# Allegro board KIT_PSE84_AI_PSOC_Edge_E84_AI_Board_Layout.brd (continued)
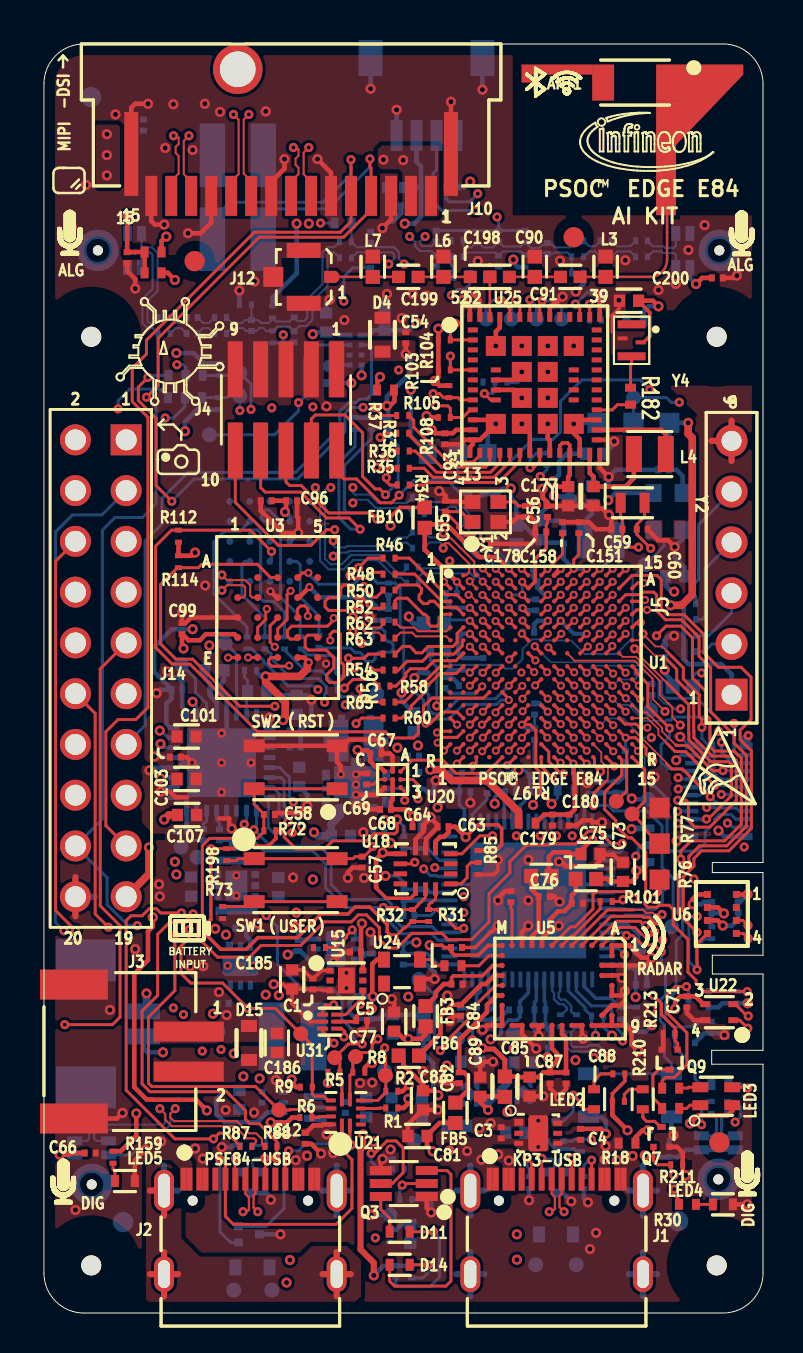
[diagram p0: board, top side]
## Routing (per net, layer and track width the routed paths; a pad name or vN(x,y) marks a point on that pad's centre or on a via; arc(x,y) is an arc through that point) (continued)
  L05_PWR w0.152: 26.74,26.59 26.51,26.37 25.27,26.37 25.01,26.63
  L05_PWR w0.229: 31.17,31.52 31.66,32.02 31.66,32.4 31.17,32.89
  BOTTOM w0.178: v1(21.94,31.35) 21.57,30.99 20.35,30.99 C157.1
N17701334: length 0.5
  TOP w0.15: U1.C9 v1(25.87,35.94)
N17701356: length 56
  TOP w0.15: U1.B2 v1(20.67,36.59) ; v3(30.45,27.64) 30.14,27.95 30.14,28.25 29.61,28.79 v1(29.12,28.79) U1.N14 ; v1(23.27,34.64) 23.3,34.61 23.3,34.61 U1.E6 ; U1.A6 v1(23.27,37.24) ; v1(21.46,27.38) 21.64,27.56 U1.R3 ; U1.E13 v1(28.47,34.64)
  TOP w0.229: v1(20.67,36.59) 19.06,38.19 FB10.1 19.23,39.45 20.17,39.45 21.8,37.82 22.68,37.82 v1(23.27,37.24)
  L05_PWR w0.089: v1(23.27,37.24) 23.61,36.89 23.61,36.43 23.79,36.26 24.08,36.26 24.27,36.07 24.27,35.8 24.08,35.61 23.85,35.61 23.61,35.37 23.61,34.97 23.52,34.89 23.52,34.88 v1(23.27,34.64) 23.03,34.88 23.02,34.88 22.94,34.96 21.83,34.96 21.64,35.15 21.64,35.42 21.45,35.61 20.87,35.61 20.34,35.08 20.34,27.35 20.56,27.14 21.22,27.14 v1(21.46,27.38) 21.85,27.77 24.07,27.77 24.41,27.43 24.41,26.59 ; 31.17,33.33 29.93,33.33 29.49,33.77 29.49,34.72 29.25,34.96 28.79,34.96 v1(28.47,34.64) ; 31.17,30.91 30.96,30.7 29.88,29.62 29.88,29.15 30.07,28.96 30.07,28.02 v3(30.45,27.64) 29.79,26.98 28.3,26.98 27.91,26.59
  L05_PWR w0.229: 24.41,26.59 25.11,25.9 27.22,25.9 27.91,26.59 ; 31.17,33.33 31.7,33.33 32.16,32.87 32.16,31.88 31.28,31 31.25,31 31.17,30.91
  BOTTOM w0.15: C160.1 29.12,28.12 v1(29.12,28.79) ; C164.1 23.27,37.55 v1(23.27,37.24) ; v1(21.46,27.38) 21.46,27.15 21.31,27 C163.1 ; C161.1 20.67,36.58 v1(20.67,36.59)
N17701674: length 9.4
  TOP w0.15: U1.M3 v1(21.32,29.44) ; U1.J3 v1(21.32,31.39) ; U1.E3 v1(21.32,34.64) ; U1.G3 v1(21.32,33.34)
  L05_PWR w0.089: v1(21.32,29.44) 20.98,29.77 20.98,31.05 v1(21.32,31.39) 20.83,31.88 20.83,32.84 v1(21.32,33.34) 20.98,33.67 20.98,34.42 21.2,34.64 v1(21.32,34.64)
  BOTTOM w0.15: C173.1 20.2,34.68 FB11.1
N17701770: length 6.4
  TOP w0.15: U1.J6 v1(23.27,31.39)
  BOTTOM w0.15: v1(23.27,31.39) 23.26,31.39 22.61,30.74 20.75,30.74 19.99,29.97 19.48,29.97 19.26,30.2 19.26,30.93 19.18,31.01 R155.1
N17701786: length 7.4
  TOP w0.15: v1(23.27,35.92) 23.28,35.92 U1.C6 ; v1(23.94,36.59) 23.94,36.56 U1.B7 ; C177.1 25.2,39.51 25.14,39.45 C178.1 ; v1(23.94,35.94) 23.94,35.91 U1.C7
  TOP w0.178: C178.1 25.14,38.28 24.59,37.72 24.59,36.6 U1.B7
  BOTTOM w0.15: C176.1 24.17,35.71 v1(23.94,35.94) ; v1(23.94,35.94) 23.28,35.94 v1(23.27,35.92) ; v1(23.94,35.94) v1(23.94,36.59)
N17708163: length 23.1
  TOP w0.15: U1.J5 v1(22.62,31.39) ; R33.1 17.03,44.02 v2(16.83,43.81)
  L04_SIG2 w0.089: v1(22.62,31.39) 22.29,31.71 21.83,31.71 21.64,31.9 21.64,32.35 21.81,32.52 22.88,32.52 23.02,32.38 23.5,32.38 24.24,33.12 24.24,33.5 24.66,33.91 24.66,37.92
  L04_SIG2 w0.157: 24.66,37.92 23.8,38.79 23.8,41.89 22.89,42.8 18.41,42.8 17.4,43.81 v2(16.83,43.81)
N17708171: length 22
  TOP w0.15: R34.1 17.32,41.43 17.14,41.61 v2(17.14,41.79) ; U1.F5 v1(22.62,33.99)
  L04_SIG2 w0.089: v1(22.62,33.99) 22.93,34.3 22.93,34.82 23.07,34.96 23.4,34.96 23.61,35.17 23.61,37.09 23.59,37.1 23.59,37.58 23.13,38.05 21.54,38.05
  L04_SIG2 w0.157: v2(17.14,41.79) 18.28,41.79 18.95,41.12 18.95,40.75 19.11,40.6 20.16,40.6 20.32,40.44 20.32,40.12 20.16,39.97 19.11,39.97 18.95,39.81 18.95,38.96 17.82,37.83 17.82,37.57 18.15,37.23 18.41,37.23 19.33,38.15 19.33,38.91 19.8,39.38 20.21,39.38 21.54,38.05
N17708201: length 22.4
  TOP w0.15: v2(16.66,42.32) 17.12,42.32 17.17,42.27 R35.1 ; U1.F4 v1(21.97,33.99)
  L04_SIG2 w0.089: 22.99,39.14 24.49,37.64 24.49,34.09 23.48,33.09 23.13,33.09 22.89,32.85 21.73,32.85 21.64,32.94 21.64,33.66 v1(21.97,33.99)
  L04_SIG2 w0.157: 22.99,39.14 22.99,41.99 22.53,42.44 18.16,42.44 17.3,43.31 16.77,43.31 16.61,43.15 16.61,42.78 16.66,42.73 v2(16.66,42.32)
N17708259: length 22.6
  TOP w0.15: U1.G5 v1(22.62,33.34) ; R36.1 17.22,43.13 17.07,42.98 v2(17.07,42.85)
  L04_SIG2 w0.089: 23.94,37.76 24.31,37.39 24.31,34.47 24.15,34.31 23.78,34.31 23.59,34.12 23.59,33.55 23.39,33.34 v1(22.62,33.34)
  L04_SIG2 w0.157: v2(17.07,42.85) 17.07,42.44 17.42,42.09 19.37,42.09 20.65,40.8 20.65,39.4 20.96,39.09 21.39,39.09 21.71,39.41 21.71,39.64 21.55,39.79 21.42,39.79 21.26,39.95 21.26,40.27 21.42,40.42 21.78,40.42 21.97,40.61 21.97,41.55 22.15,41.73 22.44,41.73 22.6,41.58 22.6,39.1 23.94,37.76
N17708293: length 23.4
  TOP w0.15: U1.D5 v1(22.62,35.29) ; v2(16.54,45.31) 16.94,44.91 R37.1
  L04_SIG2 w0.089: v1(22.62,35.29) 22.94,35.61 22.94,37.37 22.69,37.62 22.36,37.62
  L04_SIG2 w0.157: 22.36,37.62 21.31,37.62 20.27,38.66 19.76,38.66 19.61,38.5 19.61,37.85 17.98,36.22 17.58,36.22 16.85,36.96 16.85,37.32 18.62,39.09 18.62,40.84 18.11,41.35 16.71,41.35 16.08,41.99 16.08,44.86 v2(16.54,45.31)
N17708327: length 13.1
  TOP w0.15: U1.H5 v1(22.62,32.04)
  L04_SIG2 w0.089: v1(22.62,32.04) 23.41,32.04 23.76,32.38 23.78,32.38 24.39,32.99 24.66,32.99 24.89,33.23 24.89,33.5 24.85,33.54 24.85,37.81 24.88,37.84 24.88,38.01 24.87,38.01 24.87,38.58 24.28,39.17 24.28,39.29
  L04_SIG2 w0.157: v2(24.84,41.86) 24.28,41.3 24.28,39.29
  BOTTOM w0.15: v2(24.84,41.86) 25.17,42.19 R38.1
N17708399: length 3.2
  TOP w0.15: U1.P14 29.17,28.08 29.17,26.12 TP69.1
N17708861: length 13.3
  TOP w0.15: U1.N2 20.69,28.8 19.97,28.8 v1(19.7,28.53)
  L03_SIG1 w0.089: v1(19.7,28.53) 19.32,28.53 18.77,29.08 18.72,29.08
  L03_SIG1 w0.157: 18.72,29.08 17.98,29.82 16.43,29.82 15.83,30.43 v2(15.09,30.43)
  BOTTOM w0.15: v2(15.09,30.43) 15.27,30.25 15.76,30.25 15.95,30.44 15.95,30.69 15.8,30.83 15.66,30.83 15.66,30.84 14.9,30.84 14.63,31.1 14.63,31.38 13.89,32.13 13.09,32.13 12.04,33.17 R45.2
N17708863: length 4.3
  TOP w0.15: R46.1 18.29,37.77 20.12,35.94 20.66,35.94 U1.C2
N17708893: length 15.9
  TOP w0.15: U1.P1 v1(20.02,28.14)
  L03_SIG1 w0.157: v2(14.05,30.56) 14.71,29.9 15.79,29.9 16.89,28.8 18.05,28.8 18.21,28.65 18.21,27.92 18.05,27.76 17.32,27.76 17.16,27.6 17.16,27.2 17.33,27.03 18.19,27.03 19.03,27.86 19.75,27.86 v1(20.02,28.14)
  BOTTOM w0.15: R47.2 11.11,33.23 11.36,32.98 11.36,32.77 12.38,31.75 13.73,31.75 14.12,31.36 14.12,31.03 14.05,30.95 v2(14.05,30.56)
N17708895: length 3.3
  TOP w0.15: U1.C1 19.92,35.61 18.56,36.97 R48.1
N17708925: length 12.2
  TOP w0.15: v1(19.67,29.05) 19.74,29.11 U1.N1
  L03_SIG1 w0.157: v2(15.57,32.28) 15.57,32.26 16.27,31.56 16.5,31.56 16.99,32.05 17.26,32.05 17.43,31.88 17.43,31.6 16.92,31.09 16.92,30.82 17.1,30.63 18.85,30.63 19.67,29.81 v1(19.67,29.05)
  BOTTOM w0.15: v2(15.57,32.28) 15.17,31.88 14.75,31.88 14.61,32.03 14.61,32.74 14.45,32.9 13.64,32.9 13.61,32.93 13.18,32.93 R49.2
N17708927: length 4.7
  TOP w0.15: U1.D2 20.65,35.31 19.84,35.31 19.53,35.61 19.32,35.61 19.2,35.49 18.99,35.49 18.78,35.71 18.78,35.92 18.9,36.04 18.9,36.25 18.72,36.43 17.83,36.43 R50.1
N17708957: length 12.8
  TOP w0.15: U1.M2 20.68,30.07 19.92,30.07 19.33,29.48 19.11,29.48 v1(19.11,29.49)
  L03_SIG1 w0.157: v1(19.11,29.49) 18.36,30.23 16.58,30.23 15.99,30.83 15.66,30.83 15.63,30.86 14.32,30.86 13.99,31.19 13.72,31.19 v2(13.71,31.19)
  BOTTOM w0.15: R51.2 10.41,33.23 10.98,32.65 10.98,32.61 12.22,31.37 13.54,31.37 v2(13.71,31.19)
N17708959: length 4.3
  TOP w0.15: U1.D1 19.97,34.96 19.82,34.81 19.82,34.52 19.67,34.37 19.37,34.37 19.22,34.52 19.22,34.81 19.07,34.96 18.99,34.96 18.19,35.76 17.71,35.76 17.57,35.63 R52.1
N17708991: length 4.2
  TOP w0.15: U1.F2 20.94,33.61 20.94,33.38 20.52,32.97 19.31,32.97 18.95,32.61 18.18,32.61 17.74,32.17 R54.1
N17709023: length 4.5
  TOP w0.15: U1.E2 20.68,34 20.68,33.56 20.47,33.35 19.23,33.35 19.08,33.2 19.08,33.18 18.93,33.03 18.63,33.03 18.48,33.18 18.48,33.2 18.33,33.35 17.95,33.35 R56.1
N17709055: length 4.4
  TOP w0.15: R58.1 17.62,31.37 18.11,31.86 18.11,32 18.34,32.23 19.13,32.23 19.53,32.64 20.62,32.64 U1.G2
N17709075: length 4.7
  TOP w0.15: U1.H2 20.63,32 19.81,32 19.1,31.29 19.1,31.09 18.39,30.38 18.39,30.25 17.91,29.77 R60.1
N17709105: length 16.1
  TOP w0.15: v1(20.68,29.44) 20.66,29.44 U1.M1
  L03_SIG1 w0.157: v1(20.68,29.44) 20.68,30.23 19.58,31.32 18.41,31.32 17.83,31.89 17.83,32.33 17.29,32.87 17.07,32.87 16.91,32.7 16.69,32.7 16.46,32.93 16.46,33.15 16.63,33.31 16.63,33.54 16.3,33.86 16.08,33.86 15.9,33.68 v2(15.9,33.5)
  BOTTOM w0.15: R61.2 13.8,33.28 15.34,33.28 15.58,33.04 15.83,33.04 15.98,32.89 15.98,32.76 16.15,32.59 16.43,32.59 16.58,32.74 16.58,32.89 16.75,33.07 17.35,33.07 17.48,33.2 17.48,33.45 17.35,33.58 17.22,33.58 17.07,33.73 17.07,34.09 16.92,34.24 16.63,34.24 16.48,34.09 16.48,33.76 16.3,33.58 15.98,33.58 v2(15.9,33.5)
N17709107: length 3
  TOP w0.102: R62.1 17.85,34.3 18.54,34.3 18.72,34.11 20.15,34.11 U1.E1
N17709123: length 3
  TOP w0.102: R63.1 17.85,34.04 18.43,34.04 18.62,33.86 20.15,33.86 U1.F1
N17709155: length 3.5
  TOP w0.15: U1.H1 19.84,32.36 18.04,30.57 R65.1
N17709188: length 6.6
  TOP w0.102: U1.A4 21.97,37.24 21.97,37.26 v1(21.97,37.26)
  BOTTOM w0.102: v1(21.97,37.26) 22.2,37.49 22.2,37.67 22.05,37.82 21.61,37.82 21.01,38.43 21.01,38.81 20.85,38.96 20.85,39.27 21.01,39.42 21.01,39.9 20.58,40.33 20.24,40.33 20.09,40.18 19.79,40.18 19.63,40.33 19.25,40.33 19.05,40.13 R66.2
N17709192: length 6.6
  TOP w0.102: U1.A5 v1(22.62,37.24)
  BOTTOM w0.102: R67.2 19.27,40.58 20.68,40.58 21.26,40 21.26,38.53 21.72,38.08 22.15,38.08 22.45,37.77 22.45,37.4 v1(22.62,37.24)
N17709220: length 4
  TOP w0.102: U1.A3 21.54,37.01 21.54,37.6 20.37,38.77 20.24,38.77 v2(19.99,39.02)
  BOTTOM w0.102: R68.2 19.31,38.81 19.78,38.81 v2(19.99,39.02)
N17709224: length 4
  TOP w0.102: v2(19.99,38.27) 19.99,38.41 20.09,38.51 20.26,38.51 21.29,37.49 21.29,37.06 21.13,36.91 U1.A2
  BOTTOM w0.102: v2(19.99,38.27) 19.99,38.41 19.84,38.56 19.31,38.56 19.05,38.3 R69.2
N17709256: length 4.1
  TOP w0.102: U1.B4 21.96,36.59 v1(21.96,36.6)
  BOTTOM w0.102: R70.2 18.81,37.26 21.45,37.26 21.78,36.93 21.78,36.78 v1(21.96,36.6)
N17709266: length 4.1
  TOP w0.102: U1.B3 21.32,36.59 21.32,36.61 v1(21.31,36.61)
  BOTTOM w0.102: R71.2 18.74,36.8 18.95,37.01 21.35,37.01 21.53,36.83 21.53,36.7 21.41,36.59 21.34,36.59 21.32,36.61 v1(21.31,36.61)
N17713383: length 2.4
  BOTTOM w0.15: R11.1 R10.2 11.11,8.8 11.38,9.06 11.81,9.06 11.98,9.24 U29.4
N17787194: length 2.1
  TOP w0.15: v2(24.18,7.75) 24.41,7.52 J1.A5
  BOTTOM w0.15: R4.1 24.28,7.24 24.18,7.34 v2(24.18,7.75)
N17787196: length 2
  TOP w0.15: J1.B5 v2(27.41,7.65)
  BOTTOM w0.15: R3.1 27.03,7.39 27.26,7.62 27.39,7.62 v2(27.41,7.65)
N17852597: length 1.3
  TOP w0.15: U21.5 16.79,10.23 16.81,10.26 R1.1
N17861601: length 0.9
  TOP w0.15: LED5.A 3.55,7.1 3.45,7.2 R159.1
N17865831: length 2.7
  BOTTOM w0.15: C27.2 R15.2 R16.1 U13.5
N17892556: length 17.7
  BOTTOM w0.089: 28.65,32.97 29.46,33.79 ; 23.95,33.22 24.44,33.71 25.02,33.71 25.08,33.65 26.4,33.65 27.08,32.97
  BOTTOM w0.102: 23.95,33.22 23.95,32.72 23.48,32.25 23.09,32.25 22.9,32.44 20.4,32.44 20.19,32.65 R218.1 ; 29.46,33.79 29.46,36.8 TP52.1 ; 27.08,32.97 28.65,32.97
  BOTTOM w0.15: Y3.3 30.52,39.13 31.04,38.61 31.04,38.38 TP52.1
N17899696: length 1.2
  BOTTOM w0.15: R189.2 20.71,41.8 R188.1
N17920449: length 13.7
  TOP w0.127: C91.2 L3.2 30.33,51.84 arc(30.94,52.1) 31.19,52.71 31.19,54.07 31.19,54.07 ANT1.1
N17920453: length 2.6
  TOP w0.127: C91.1 L2.2 C90.2
N17920674: length 2.6
  TOP w0.127: C199.1 L6.2 C198.2
N17920680: length 3.3
  TOP w0.127: C199.2 L7.2 J12.S
N17936697: length 6.3
  TOP w0.15: D11.A v2(19.51,4.07)
  BOTTOM w0.15: v2(19.51,4.07) 19.79,3.78 19.79,1.79 19.33,1.32 17.73,1.32 17.6,1.45 R174.1
N17936707: length 1.9
  TOP w0.15: D11.K 17.31,4.74 16.86,5.19 Q3.6
N17937120: length 2.3
  TOP w0.15: D14.A v2(19.23,2.41)
  BOTTOM w0.15: v2(19.23,2.41) 19.23,2.01 19.18,1.96 18.98,1.76 R190.1
N17937130: length 10.7
  TOP w0.15: D14.K 17.31,1.59 17.55,1.35 20.12,1.35 20.37,1.6 20.37,6.94 20.18,7.13 Q3.3
N17947353: length 1.6
  TOP w0.15: R182.1 29.36,47.44 29.41,47.49 Y4.O
N17989965: length 12
  TOP w0.102: R88.1 10.91,8.48 10.92,8.48 10.92,8.7 10.62,8.99 10.26,8.99 9.65,9.6 6.5,9.6 6.32,9.78 6.32,9.98 v2(6.57,10.23)
  BOTTOM w0.102: v2(6.57,10.23) 6.32,9.98 6.32,9.42 6.07,9.17 2.62,9.17 2.52,9.07 2.52,8.71 2.62,8.61 U8.3
N17989977: length 12
  TOP w0.102: R87.1 10.61,8.54 10.61,8.64 10.51,8.74 10.16,8.74 9.55,9.35 6.4,9.35 6.07,9.68 6.07,9.96 v2(5.8,10.23)
  BOTTOM w0.102: U8.1 2.16,8.61 2.26,8.71 2.26,9.17 2.51,9.42 5.97,9.42 6.07,9.53 6.07,9.96 v2(5.8,10.23)
N17990624: length 1.9
  BOTTOM w0.15: U7.3 34.06,8.87 33.92,9.01 33.92,9.74 34.17,9.99 R92.1
N17990639: length 1.9
  BOTTOM w0.15: R91.1 33.66,9.73 33.66,9.05 33.48,8.87 U7.1
N18038435: length 1.4
  TOP w0.15: LED1.A 29.3,11.19 29.05,10.94 R209.1
N18038437: length 1.5
  TOP w0.15: R210.1 27.86,11.96 27.53,11.63 LED2.A
N18038455: length 1.5
  TOP w0.15: LED1.K 29.97,9.82 30,9.79 30,9.75 30.16,9.59 30.58,9.59 30.85,9.31 Q7.D
N18038457: length 3.3
  TOP w0.15: v2(26.49,10.9) 26.78,10.61 26.78,10.46 27.04,10.19 LED2.K
  BOTTOM w0.15: v2(26.49,10.9) 26.49,10.1 25.99,9.59 Q8.D
N18039037: length 1.1
  TOP w0.15: LED3.1 32.33,10.4 32.17,10.24 R156.2
N18039056: length 1.1
  TOP w0.15: R157.2 32.22,11.25 32.27,11.3 LED3.2
N18039072: length 1.8
  TOP w0.15: LED3.3 35.19,11.3 v2(35.23,11.25)
  BOTTOM w0.15: R165.1 34.63,11.43 34.65,11.44 35.04,11.44 v2(35.23,11.25)
N18042757: length 1
  BOTTOM w0.15: R216.1 14.65,47.38 14.7,47.43 U40.5
N18094677: length 32.4
  TOP w0.15: U20.A2 18.47,26.7 18.72,26.44 v2(18.72,25.73)
  L03_SIG1 w0.157: v2(6.65,47.45) 6.65,47.04 6.63,47.01 6.63,42.8 8.26,41.17 8.26,36.76 8.45,36.56 8.45,35.21 8.71,34.95 8.71,32.31 10.14,30.88 10.14,29.04 11.54,27.64 15.86,27.64 17.03,26.47 17.98,26.47 v2(18.72,25.73)
  BOTTOM w0.15: v2(6.65,47.45) 6.68,47.47 6.94,47.47 7.09,47.32 R221.1
N18094686: length 29.6
  TOP w0.15: U20.A3 18.06,26.09 v2(18.06,25.66)
  L03_SIG1 w0.157: v2(18.06,25.66) 17.48,25.66 15.75,27.38 11.43,27.38 9.88,28.93 9.88,30.62 7.88,32.62 7.88,35.86 7.69,36.05 7.69,37.1 7.95,37.36 7.95,41.02 6.07,42.9 v2(6.07,44.78)
  BOTTOM w0.15: R223.1 7.05,45.35 6.49,44.78 v2(6.07,44.78)
N18095156: length 1
  TOP w0.15: C69.1 16.51,26.45 16.55,26.49 16.55,26.5 16.75,26.7 U20.C2

## Copper pours and planes (outline as drawn; the poured copper is in the pictures)
GND_EARTH on TOP: 5.21,7.44 6.3,7.44 6.65,7.09 6.65,6.17 6.73,6.1 6.58,6.1 6.58,5.23 6.88,5.23 6.88,3.73 7.8,2.82 12.88,2.82 13.41,3.35 15.16,3.35 15.88,2.64 15.88,0.84 15.61,0.57 15,0.57 14.99,0.56 5.23,0.56 5.11,0.69 5.11,7.34
GND_EARTH on BOTTOM: 21.11,7.67 22.43,7.67 22.61,7.49 22.61,2.06 23.12,1.55 28.4,1.55 28.7,1.86 28.7,4.8 29.08,5.18 29.08,5.21 29.41,5.21 29.41,5.87 29.08,5.87 29.08,7.42 29.29,7.62 30.79,7.62 30.99,7.42 30.99,0.64 30.89,0.53 13.18,0.53 13,0.71 13,1.35 13.18,1.53 13.18,7.29 13.46,7.57 15.42,7.57 15.72,7.27 15.72,3.86 15.9,3.68 17.55,3.68 17.63,3.76 18.69,3.76 18.77,3.68 18.77,2.85 18.67,2.74 17.27,2.74 17.22,2.69 17.22,1.42 17.45,1.19 19.53,1.19 19.99,1.65 19.99,3.89 20.09,3.99 20.09,7.24 20.22,7.37 20.27,7.42 20.85,7.42 ; 3 cut-outs
GND_EARTH on BOTTOM: 5.05,7.67 6.65,7.67 7.06,7.27 7.06,5.89 6.55,5.89 6.55,5.21 7.06,5.21 7.06,2.49 7.42,2.13 7.42,0.61 7.37,0.56 5.33,0.56 4.75,1.14 4.75,7.37
GND_SIGNAL on BOTTOM (solid shape): 3.43,6.39 3.42,6.3 3.4,6.21 3.38,6.12 3.35,6.03 3.31,5.95 3.27,5.87 3.21,5.8 3.16,5.73 3.09,5.67 3.02,5.61 2.95,5.56 2.87,5.51 2.79,5.47 2.7,5.44 2.61,5.42 2.52,5.4 2.43,5.39 2.34,5.39 2.25,5.4 2.16,5.42 2.08,5.44 1.99,5.47 1.91,5.51 1.83,5.56 1.76,5.61 1.69,5.67 1.62,5.73 1.56,5.8 1.51,5.87 1.47,5.95 1.43,6.03 1.4,6.12 1.37,6.21 1.36,6.3 1.35,6.39 1.35,6.43 1.81,6.43 1.81,6.36 1.82,6.3 1.84,6.23 1.87,6.17 1.91,6.11 1.95,6.05 2,6 2.05,5.96 2.11,5.92 2.17,5.9 2.24,5.87 2.3,5.86 2.37,5.85 2.44,5.85 2.51,5.87 2.57,5.88 2.64,5.91 2.7,5.94 2.75,5.98 2.81,6.03 2.85,6.08 2.89,6.14 2.92,6.2 2.94,6.26 2.96,6.33 2.97,6.4 2.97,6.47 2.96,6.54 2.94,6.6 2.92,6.67 2.89,6.73 2.85,6.79 2.81,6.84 2.75,6.88 2.7,6.92 2.64,6.96 2.57,6.98 2.51,7 2.44,7.01 2.37,7.01 2.3,7.01 2.24,6.99 2.17,6.97 2.11,6.94 2.05,6.9 2,6.86 1.95,6.81 1.91,6.76 1.87,6.7 1.84,6.64 1.82,6.57 1.81,6.5 1.81,6.43 1.35,6.43 1.35,6.48 1.36,6.57 1.37,6.66 1.4,6.75 1.43,6.83 1.47,6.91 1.51,6.99 1.56,7.07 1.62,7.14 1.69,7.2 1.76,7.26 1.83,7.31 1.91,7.36 1.99,7.39 2.08,7.43 2.16,7.45 2.25,7.46 2.34,7.47 2.43,7.47 2.52,7.46 2.61,7.45 2.7,7.43 2.79,7.39 2.87,7.36 2.95,7.31 3.02,7.26 3.09,7.2 3.16,7.14 3.21,7.07 3.27,6.99 3.31,6.91 3.35,6.83 3.38,6.75 3.4,6.66 3.42,6.57 3.43,6.48
GND_SIGNAL on BOTTOM (solid shape): 3.74,53.12 3.73,53.03 3.72,52.94 3.69,52.85 3.66,52.77 3.62,52.69 3.58,52.61 3.53,52.53 3.47,52.46 3.4,52.4 3.33,52.34 3.26,52.29 3.18,52.24 3.1,52.21 3.01,52.18 2.92,52.15 2.84,52.14 2.75,52.13 2.65,52.13 2.56,52.14 2.47,52.15 2.39,52.18 2.3,52.21 2.22,52.24 2.14,52.29 2.07,52.34 2,52.4 1.93,52.46 1.87,52.53 1.82,52.61 1.78,52.69 1.74,52.77 1.71,52.85 1.68,52.94 1.67,53.03 1.66,53.12 1.66,53.17 2.12,53.17 2.12,53.1 2.14,53.03 2.16,52.97 2.18,52.9 2.22,52.84 2.26,52.79 2.31,52.74 2.36,52.7 2.42,52.66 2.48,52.63 2.55,52.61 2.61,52.59 2.68,52.59 2.75,52.59 2.82,52.6 2.89,52.62 2.95,52.64 3.01,52.68 3.07,52.72 3.12,52.76 3.16,52.82 3.2,52.87 3.23,52.93 3.25,53 3.27,53.06 3.28,53.13 3.28,53.2 3.27,53.27 3.25,53.34 3.23,53.4 3.2,53.46 3.16,53.52 3.12,53.57 3.07,53.62 3.01,53.66 2.95,53.69 2.89,53.72 2.82,53.74 2.75,53.75 2.68,53.75 2.61,53.74 2.55,53.73 2.48,53.71 2.42,53.68 2.36,53.64 2.31,53.6 2.26,53.55 2.22,53.49 2.18,53.43 2.16,53.37 2.14,53.3 2.12,53.24 2.12,53.17 1.66,53.17 1.66,53.21 1.67,53.3 1.68,53.39 1.71,53.48 1.74,53.57 1.78,53.65 1.82,53.73 1.87,53.8 1.93,53.87 2,53.93 2.07,53.99 2.14,54.04 2.22,54.09 2.3,54.13 2.39,54.16 2.47,54.18 2.56,54.2 2.65,54.21 2.75,54.21 2.84,54.2 2.92,54.18 3.01,54.16 3.1,54.13 3.18,54.09 3.26,54.04 3.33,53.99 3.4,53.93 3.47,53.87 3.53,53.8 3.58,53.73 3.62,53.65 3.66,53.57 3.69,53.48 3.72,53.39 3.73,53.3 3.74,53.21
GND_SIGNAL on BOTTOM (solid shape): 34.8,6.64 34.79,6.55 34.77,6.46 34.75,6.37 34.72,6.29 34.68,6.21 34.64,6.13 34.58,6.05 34.52,5.98 34.46,5.92 34.39,5.86 34.32,5.81 34.24,5.76 34.16,5.73 34.07,5.69 33.98,5.67 33.89,5.66 33.8,5.65 33.71,5.65 33.62,5.66 33.53,5.67 33.45,5.69 33.36,5.73 33.28,5.76 33.2,5.81 33.12,5.86 33.06,5.92 32.99,5.98 32.93,6.05 32.88,6.13 32.84,6.21 32.8,6.29 32.77,6.37 32.74,6.46 32.73,6.55 32.72,6.64 32.72,6.69 33.18,6.69 33.18,6.62 33.19,6.55 33.21,6.48 33.24,6.42 33.28,6.36 33.32,6.31 33.37,6.26 33.42,6.22 33.48,6.18 33.54,6.15 33.6,6.13 33.67,6.11 33.74,6.11 33.81,6.11 33.88,6.12 33.94,6.14 34.01,6.16 34.07,6.2 34.12,6.24 34.17,6.28 34.22,6.33 34.26,6.39 34.29,6.45 34.31,6.52 34.33,6.58 34.34,6.65 34.34,6.72 34.33,6.79 34.31,6.86 34.29,6.92 34.26,6.98 34.22,7.04 34.17,7.09 34.12,7.14 34.07,7.18 34.01,7.21 33.94,7.24 33.88,7.26 33.81,7.27 33.74,7.27 33.67,7.26 33.6,7.25 33.54,7.22 33.48,7.2 33.42,7.16 33.37,7.12 33.32,7.07 33.28,7.01 33.24,6.95 33.21,6.89 33.19,6.82 33.18,6.76 33.18,6.69 32.72,6.69 32.72,6.73 32.73,6.82 32.74,6.91 32.77,7 32.8,7.09 32.84,7.17 32.88,7.25 32.93,7.32 32.99,7.39 33.06,7.45 33.12,7.51 33.2,7.56 33.28,7.61 33.36,7.65 33.45,7.68 33.53,7.7 33.62,7.72 33.71,7.73 33.8,7.73 33.89,7.72 33.98,7.7 34.07,7.68 34.16,7.65 34.24,7.61 34.32,7.56 34.39,7.51 34.46,7.45 34.52,7.39 34.58,7.32 34.64,7.25 34.68,7.17 34.72,7.09 34.75,7 34.77,6.91 34.79,6.82 34.8,6.73
GND_SIGNAL on BOTTOM (solid shape): 34.85,53.12 34.84,53.03 34.82,52.94 34.8,52.85 34.77,52.77 34.73,52.69 34.69,52.61 34.63,52.53 34.58,52.46 34.51,52.4 34.44,52.34 34.37,52.29 34.29,52.24 34.21,52.21 34.12,52.18 34.03,52.15 33.94,52.14 33.85,52.13 33.76,52.13 33.67,52.14 33.58,52.15 33.5,52.18 33.41,52.21 33.33,52.24 33.25,52.29 33.18,52.34 33.11,52.4 33.04,52.46 32.98,52.53 32.93,52.61 32.89,52.69 32.85,52.77 32.82,52.85 32.79,52.94 32.78,53.03 32.77,53.12 32.77,53.17 33.23,53.17 33.23,53.1 33.24,53.03 33.26,52.97 33.29,52.9 33.33,52.84 33.37,52.79 33.42,52.74 33.47,52.7 33.53,52.66 33.59,52.63 33.66,52.61 33.72,52.59 33.79,52.59 33.86,52.59 33.93,52.6 33.99,52.62 34.06,52.64 34.12,52.68 34.17,52.72 34.23,52.76 34.27,52.82 34.31,52.87 34.34,52.93 34.36,53 34.38,53.06 34.39,53.13 34.39,53.2 34.38,53.27 34.36,53.34 34.34,53.4 34.31,53.46 34.27,53.52 34.23,53.57 34.17,53.62 34.12,53.66 34.06,53.69 33.99,53.72 33.93,53.74 33.86,53.75 33.79,53.75 33.72,53.74 33.66,53.73 33.59,53.71 33.53,53.68 33.47,53.64 33.42,53.6 33.37,53.55 33.33,53.49 33.29,53.43 33.26,53.37 33.24,53.3 33.23,53.24 33.23,53.17 32.77,53.17 32.77,53.21 32.78,53.3 32.79,53.39 32.82,53.48 32.85,53.57 32.89,53.65 32.93,53.73 32.98,53.8 33.04,53.87 33.11,53.93 33.18,53.99 33.25,54.04 33.33,54.09 33.41,54.13 33.5,54.16 33.58,54.18 33.67,54.2 33.76,54.21 33.85,54.21 33.94,54.2 34.03,54.18 34.12,54.16 34.21,54.13 34.29,54.09 34.37,54.04 34.44,53.99 34.51,53.93 34.58,53.87 34.63,53.8 34.69,53.73 34.73,53.65 34.77,53.57 34.8,53.48 34.82,53.39 34.84,53.3 34.85,53.21
GND_SIGNAL on TOP: 21.73,7.35 21.17,7.35 20.98,7.55 20.98,8.36 21.06,8.43 22.05,8.43 22.2,8.28 22.2,7.75 22.61,7.34 22.73,7.34 22.76,7.32 22.76,6.12 22.73,6.1 22.15,6.1 22.12,6.12 22.12,6.96
GND_SIGNAL on TOP: 28.58,6.07 29.24,6.07 29.26,6.1 29.26,7.06 29.85,7.65 29.69,7.8 29.69,8.08 29.64,8.13 29.18,8.13 29.06,8 28.65,8 28.5,7.85 28.5,7.32 28.55,7.27 28.55,6.1
GND_SIGNAL on BOTTOM: 22.4,10.95 22.73,11.28 22.73,12.88 22.63,12.98 21.54,12.98 21.46,12.9 21.46,11.66 21.39,11.58 21.39,11.35 20.98,10.95 20.98,10.9 21.29,10.59 21.39,10.59 21.74,10.95
GND_SIGNAL on BOTTOM: 24.82,12.65 25,12.47 25,11.23 24.84,11.08 24.46,11.08 24.06,10.67 23.98,10.67 23.62,11.02 23.62,11.05 24.06,11.48 24.06,12.14 24.18,12.27 24.18,13.41 24.23,13.46 24.79,13.46 24.82,13.44
GND_SIGNAL on BOTTOM: 2.92,12.45 3.02,12.35 4.24,12.35 4.34,12.24 4.34,10.59 3.86,10.11 0.66,10.11 0.56,10.21 0.56,12.32 0.58,12.35 1.17,12.35 1.4,12.57 1.4,16.49 1.3,16.59 0.58,16.59 0.53,16.64 0.53,18.64 0.61,18.72 5,18.72 5.11,18.62 5.11,16.71 4.9,16.51 3.15,16.51 2.92,16.28
GND_SIGNAL on L02_GND: 0.53,61.5 0.96,62.53 2,62.96 33.99,62.96 35.03,62.53 35.46,61.5 35.46,23.07 32.92,23.07 32.92,21.5 35.46,21.5 35.46,18.5 35.41,18.44 32.97,18.44 32.92,18.39 32.92,17.07 32.59,17.07 32.59,16.92 32.92,16.92 32.92,16.46 33.02,16.36 35.41,16.36 35.46,16.3 35.46,13.68 32.89,13.68 32.89,11.94 32.94,11.89 35.38,11.89 35.46,11.81 35.46,2 35.03,0.96 33.99,0.53 2,0.53 0.96,0.96 0.53,2 0.53,14.28 1.24,14.28 1.24,14.58 0.53,14.58 0.53,18.87 1.14,18.87 1.14,19.41 0.53,19.41 0.53,20.3 1.09,20.3 1.09,21.31 0.53,21.31 ; 95 cut-outs
GND_SIGNAL on L05_PWR: 33.25,45.82 35.31,45.82 35.31,45.8 35.48,45.62 35.48,44.6 35.2,44.32 35.2,43 35.48,42.72 35.48,32.72 35.49,32.71 35.49,29.41 35.36,29.41 34.98,29.03 34.98,28.65 35.48,28.14 35.49,28.14 35.49,24.89 34.46,23.87 33.82,23.87 33.8,23.89 32.59,23.89 32.09,23.4 31.79,23.4 31.15,22.77 31.15,21.62 30.43,21.62 29.18,22.86 29.18,24.31 29.95,25.07 29.95,29.44 32.31,31.8 32.31,33.07 31.85,33.53 29.97,33.53 29.57,33.94 29.57,37.47 29.54,37.49 27.76,37.49 27.61,37.64 27.61,40.01 27.79,40.18 29.92,40.18 33.12,43.38 33.12,45.7 ; 5 cut-outs
GND_SIGNAL on L05_PWR: 0.58,61.97 1.13,62.71 2,62.99 23.5,62.99 23.57,62.92 23.57,55.12 23.77,54.92 34.82,54.92 35.38,54.36 35.38,51.77 34.67,51.06 17.12,51.06 14.76,48.69 14.05,48.69 12.93,47.58 10.77,47.58 10.24,48.11 4.95,48.11 4.39,47.55 0.71,47.55 0.58,47.68 ; 1 cut-out
VBAT_IN on TOP: 9.42,13.49 9.5,13.56 11.15,13.56 11.18,13.54 12.12,13.54 12.17,13.59 12.17,14.71 11.86,15.01 10.03,15.01 9.42,15.62 9.42,15.88 8.97,16.33 6.32,16.33 5.21,15.22 5.21,13.62 5.33,13.49
VBAT_IN on BOTTOM: 9.5,16.71 9.53,16.69 9.53,16.08 9.58,16.03 10.03,16.03 10.11,16.1 10.11,16.64 10.16,16.69 10.34,16.69 10.49,16.69 10.52,16.66 10.52,15.8 10.44,15.72 9.91,15.72 9.53,15.34 9.53,13.79 9.4,13.67 8.33,13.67 8.28,13.72 8.28,14.91 8.54,15.16 8.99,15.16 9.09,15.27 9.09,15.72 8.99,15.83 8.33,15.83 8.26,15.9 8.26,16.66 8.31,16.71
VCC_1V8 on BOTTOM: 23.95,13.06 23.85,12.96 23.85,11.48 23.62,11.25 23.06,11.25 22.94,11.38 22.94,14.07 23.27,14.4 23.9,14.4 23.95,14.35
VCC_1V8 on L04_SIG2: 22.18,13.72 26.01,13.72 28.07,11.66 28.07,10.14 28.02,10.08 27.25,10.08 27.1,9.93 20.07,9.93 19.92,9.78 19.92,7.9 19.71,7.7 18.7,7.7 18.62,7.77 18.62,9.09 18.72,9.2 18.72,11.06 18.54,11.24 18.54,13.29 18.62,13.36 21.82,13.36
VCC_3V3 on BOTTOM: 20.93,11.1 21.19,11.35 21.19,14.05 21.03,14.2 20.37,14.2 20.27,14.1 20.27,13.03 19.89,12.65 19.89,12.22 20.37,11.74 20.37,11.15 20.42,11.1
VCC_IN on TOP: 23.24,9.15 22.25,9.15 22.07,8.97 21.46,8.97 21.39,9.04 21.39,9.65 21.54,9.81 24.03,9.81 24.08,9.75 24.08,9.35 24.03,9.3 23.39,9.3
VCC_IN on BOTTOM: 9.65,19.66 9.73,19.58 9.73,18.9 9.55,18.72 9.55,18.26 9.53,18.24 9.53,18.09 9.47,18.04 8.53,18.04 8.33,18.24 8.33,19.58 8.41,19.66
VCC_IN on BOTTOM: 12.09,11.66 12.3,11.46 12.3,10.97 12.22,10.9 11.76,10.9 11.74,10.92 10.26,10.92 10.16,10.82 8.87,10.82 8.79,10.9 8.79,12.75 10.72,14.68 10.72,16.1 10.77,16.16 12.02,16.16 12.09,16.08
VCC_IN on BOTTOM: 13.9,17.91 13.39,17.91 13.03,18.26 12.04,18.26 11.96,18.19 11.96,17.53 12.09,17.4 13.82,17.4 13.92,17.5 13.92,17.88
VCC_IN on L04_SIG2: 12.55,13.51 13.49,13.51 13.92,13.08 13.92,10.69 15.32,9.3 15.32,8.26 15.9,7.67 17.25,7.67 17.32,7.6 18.95,7.6 19.18,7.82 19.18,10.06 19.99,10.87 22.38,10.87 22.66,10.59 22.66,9.73 25.98,9.73 26.54,9.17 26.54,3.25 26.31,3.02 24.21,3.02 23.39,2.21 12.45,2.21 12.45,2.52 12.09,2.52 12.09,2.21 6.58,2.21 4.93,3.86 4.93,11.46 5.59,12.12 8.38,12.12 9.22,12.96 9.22,13.31 9.4,13.49 12.52,13.49 ; 4 cut-outs
VCC_IN on L05_PWR: 13.29,17.42 13.29,12.85 12.83,12.4 8.84,12.4 8.84,12.4 6.99,12.4 5.77,13.62 5.77,19 6.45,19.69 11.02,19.69
VDD_1V8 on BOTTOM: 6.28,21.74 6.28,22.84 6.35,22.91 7.21,22.91 7.52,23.22 7.8,23.22 8.1,22.91 10.72,22.91 10.8,22.84 10.8,22.48 10.72,22.4 9.09,22.4 8.89,22.2 8.89,21.74 8.86,21.72 8.2,21.72 7.98,21.49 6.53,21.49
VDD_1V8 on BOTTOM: 10.8,28.91 10.8,28.12 10.85,28.07 11.66,28.07 12.35,27.38 12.35,27.05 12.4,27 13.21,27 13.26,27.05 13.26,27.53 12.83,27.97 12.55,27.97 12.45,28.07 12.45,29.36 12.63,29.54 12.85,29.54 12.98,29.67 12.98,30.25 12.93,30.3 12.04,30.3 11.71,29.97 11.71,29.49 11.74,29.47 11.74,29.13 11.61,29.01 10.9,29.01
VDD_1V8 on L04_SIG2: 15.34,27.92 15.6,27.66 16.89,27.66 17.35,27.2 17.35,24.72 17.3,24.66 17.3,24.16 17.02,24.16 16.41,23.55 16.41,22.66 16.54,22.53 18.11,22.53 18.12,22.54 18.24,22.43 18.8,22.43 19.08,22.71 21.16,22.71 21.44,22.99 21.44,26.37 20.98,26.82 18.92,26.82 18.03,27.71 17.83,27.71 17.37,28.17 17.37,28.45 17.22,28.6 15.52,28.6 15.34,28.42
VDD_1V8 on L05_PWR: 17.22,51.64 30.02,51.64 31.42,50.24 31.42,49.81 31.39,49.79 31.39,46.36 31.84,45.91 32.35,45.91 32.77,45.49 32.77,43.31 29.79,40.34 26.62,40.34 26.42,40.54 26.42,44.5 24.99,45.92 17.98,45.92 17.75,46.15 15.27,46.15 15.27,45.92 13.08,45.92 11.99,44.83 11.99,42.01 12.68,41.33 12.9,41.33 13.54,40.69 13.54,37.09 15.14,35.48 15.14,34.75 15.47,34.42 17.27,34.42 17.71,33.98 17.71,27.92 17.58,27.79 12.35,27.79 10.21,29.92 4.88,29.92 4.55,29.59 4.55,24.94 12.88,16.61 15.39,16.61 16.84,15.16 16.84,12.52 16.54,12.22 15.37,12.22 13.67,10.52 13.67,8.94 13.36,8.64 13.36,8.61 13.29,8.54 12.93,8.54 12.85,8.46 12.85,4.8 13.41,4.24 18.09,4.24 19.43,5.59 19.43,6.43 19.99,6.99 23.42,6.99 23.52,7.09 27.69,7.09 27.69,7.27 28.35,7.93 28.35,8.03 28.55,8.23 28.55,7.62 28.91,7.62 28.91,7.49 29.44,7.49 29.44,7.62 29.67,7.62 29.67,8.43 28.75,8.43 28.88,8.56 30.38,8.56 30.71,8.89 30.71,12.14 31.09,12.52 31.09,20.52 32.08,21.51 35.38,21.51 35.48,21.41 35.48,18.72 35.31,18.54 35.18,18.54 35.1,18.47 32.97,18.47 32.94,18.44 32.94,16.33 33.25,16.03 33.25,14.23 32.89,13.87 32.89,11.94 32.94,11.89 33.15,11.89 35.15,9.88 35.15,2.19 34.24,1.27 6.48,1.27 0.51,7.24 0.51,48.49 10.64,48.49 11.1,48.03 12.14,48.03 14.07,49.96 15.54,49.96 ; 14 cut-outs
VDD_3V3 on BOTTOM: 18.06,29.44 19.03,29.44 19.1,29.36 19.1,29.13 19.23,29.01 19.23,28.12 19.64,27.71 19.64,27.08 19.33,26.77 18.77,26.77 18.7,26.85 18.7,27.36 18.59,27.46 18.59,28.09 17.63,28.09 17.5,27.97 17.5,27.59 17.4,27.48 16.23,27.48 16.08,27.64 16.08,30.63 16.21,30.76 16.21,31.37 16.26,31.42 17.17,31.42 17.25,31.34 17.25,30.25
VDD_3V3 on BOTTOM: 22.94,10.92 23.55,10.92 23.9,10.57 24.11,10.57 24.41,10.87 24.51,10.87 24.56,10.82 24.56,10.57 23.39,9.4 23.39,8.46 23.29,8.36 22.71,8.36 22.58,8.48 22.58,9.19 22.84,9.45 22.84,10.82
VDD_3V3 on BOTTOM: 5.71,24.18 5.99,23.9 6.68,23.9 6.73,23.95 6.73,24.36 6.86,24.49 6.86,25.86 6.78,25.93 6.25,25.93 6.15,25.83 6.15,25.66 6.05,25.55 5.87,25.55 5.71,25.4
VDD_3V3 on L03_SIG1: 5.08,25.05 6.4,25.05 6.53,24.92 6.53,20.83 4.72,19.03 4.72,15.44 5.46,14.71 5.46,13.13 6.32,12.27 15.85,12.27 17.22,10.9 18.65,10.9 19.33,11.58 22.99,11.58 23.34,11.23 23.45,11.23 23.93,10.75 23.93,9.91 23.47,9.45 21.77,9.45 21.69,9.37 19.89,9.37 19.61,9.09 18.11,9.09 17.65,9.55 16.75,9.55 16.38,9.92 11.72,9.92 10.97,9.17 4.19,9.17 2.9,10.47 2.9,18.49 3.3,18.9 3.3,21.57 3.4,21.67 3.4,21.16 3.73,21.16 3.73,22 4.95,23.22 4.95,24.92 ; 3 cut-outs
VDD_3V3 on L04_SIG2: 19.25,28.78 19.25,28.27 20.09,27.43 20.09,27.15 19.81,26.87 19.15,26.87 18.11,27.92 17.86,27.92 17.58,28.2 17.58,28.8 17.65,28.88 19.15,28.88
VDD_3V3 on L04_SIG2: 18.57,57.07 21.69,57.07 22.56,56.21 22.56,48.57 22.4,48.57 22.4,47.75 23.04,47.75 26.29,44.5 26.29,41.78 25.78,41.28 24.21,41.28 22.83,42.65 22.28,42.65 22.1,42.83 18.69,42.83 18.55,42.97 17.89,42.3 15.94,42.3 14.33,40.69 14.33,39.73 13.56,38.96 14.33,39.73 14.33,40.69 14.61,40.98 14.61,41.06 14.55,41.06 14.53,41.05 14.45,41.01 14.36,40.99 14.14,41.08 14.05,41.3 14.11,41.49 14.28,41.6 14.32,41.61 14.32,44.94 14.29,45.02 14.2,45.04 14.14,45.03 14.02,45.05 13.92,45.12 13.84,45.15 13.77,45.11 13.73,45.07 13.69,45.03 13.69,41.59 13.72,41.58 13.85,41.46 13.89,41.3 13.8,41.08 13.59,40.99 13.45,41.02 13.35,41.11 13.27,41.14 13.2,41.11 13.13,41.05 13.13,40.44 12.29,40.44 12.29,39.55 12.04,39.55 12.05,39.58 12.07,39.61 12.07,39.7 12,39.76 11.9,39.8 11.81,39.86 11.7,39.89 11.64,39.8 11.64,39.55 11.48,39.55 11.48,38.81 10.19,37.52 10.19,35.71 10.22,35.67 10.27,35.67 10.31,35.71 10.31,36.12 10.33,36.21 10.38,36.28 10.64,36.55 10.64,36.04 9.02,34.42 9.02,31.95 8.1,31.04 8.1,24.56 7.75,24.21 5.92,24.21 5.54,24.59 5.54,39.02 5.46,39.09 5.46,45.16 5.44,45.19 5.49,45.24 5.49,52.99 6.12,53.62 14.25,53.62 15.75,55.12 15.75,55.14 16.64,55.14 ; 18 cut-outs
VDD_5V on TOP: 6.99,28.53 6.5,28.04 6.5,27.36 6.78,27.08 6.93,27.08 6.99,27.03 6.99,26.42 6.91,26.34 6.4,26.34 6.25,26.49 6.25,26.93 5.61,27.56 5.21,27.56 5.03,27.74 5.03,29.64 5.44,30.05 5.44,31.55 5.49,31.6 6.81,31.6 6.99,31.42
VDD_5V on TOP: 2.59,59.39 2.59,56.52 2.77,56.34 3.71,56.34 3.81,56.44 3.81,59.34 3.68,59.46 2.67,59.46
VDD_5V on TOP: 13.69,9.55 13.92,9.55 13.95,9.58 14.63,9.58 14.66,9.55 14.66,8.79 14.4,8.54 13.69,8.54 13.36,8.87 12.9,8.87 12.88,8.89 12.88,9.2 12.93,9.25 13.39,9.25
VDD_5V on BOTTOM: 2.79,56.26 2.72,56.34 2.72,59.28 2.77,59.34 7.42,59.34 7.7,59.61 9.17,59.61 9.3,59.49 9.3,56.44 9.12,56.26
VDD_5V on BOTTOM: 19.86,10.8 21.01,10.8 21.36,10.44 21.44,10.44 21.74,10.75 21.92,10.75 21.95,10.72 21.95,10.21 21.74,10.01 21.39,10.01 21.39,10.01 20.75,10.01 20.52,9.78 20.52,8.99 20.85,8.66 20.85,7.82 20.8,7.77 20.04,7.77 19.94,7.88 19.94,8.15 19.66,8.43 19.23,8.43 18.98,8.18 18.26,8.18 18.14,8.31 15.95,8.31 15.7,8.56 12.83,8.56 12.73,8.46 12.12,8.46 11.84,8.18 11.61,8.18 11.58,8.21 11.58,8.71 11.71,8.84 11.93,8.84 12.06,8.98 12.38,8.98 12.83,9.42 12.83,9.88 12.9,9.96 14.4,9.96 14.61,10.16 19.25,10.16 19.25,10.19
VDD_5V on BOTTOM: 11.18,21.18 12.88,21.18 13,21.31 13,22.23 12.93,22.3 11.33,22.3 10.79,21.77 10.39,21.77 10.31,21.85 10.31,22.12 10.39,22.2 10.39,22.2 10.85,22.2 11.48,22.84 13.67,22.84 13.92,22.58 13.92,20.04 13.92,20.04 13.92,19.97 13.72,19.76 11.81,19.76 10.95,20.63 10.39,20.63 10.34,20.68 10.34,21.01 10.36,21.03 11.03,21.03
VDD_5V on BOTTOM: 16.89,25.86 16.92,25.88 17.45,25.88 17.53,25.81 17.53,24.69 17.5,24.66 17.5,24.28 17.6,24.18 17.6,23.12 17.53,23.04 16.94,23.04 16.79,23.19 16.79,23.42 16.89,23.52 16.89,24.54 16.54,24.89 16.23,24.89 16.13,24.99 16.13,25.45 16.16,25.48 16.87,25.48 16.89,25.5
VDD_5V on L03_SIG1: 2.82,57.28 4.65,57.28 5.13,56.8 5.13,51.97 7.59,49.51 7.59,36.3 7.85,36.04 7.85,33.02 7.61,32.78 7.05,32.78 6.68,32.41 6.68,32.13 6.81,32.01 6.81,31.27 6.27,30.74 5.05,30.74 4.65,31.14 4.65,38 5.21,38.56 5.21,38.81 4.5,39.52 4.5,48.77 2.39,50.88 2.39,56.85 ; 1 cut-out
VDD_5V on L05_PWR: 4.95,29.72 10.03,29.72 12.24,27.51 17.4,27.51 17.63,27.28 17.63,23.01 17.53,22.91 16.99,22.91 16.99,22.61 16.74,22.61 16.74,22.12 16.36,21.74 16.36,20.19 17.76,18.8 17.76,18.72 18.49,17.98 19.05,17.98 21.72,15.32 21.72,14.38 24.06,12.04 28.42,12.04 29.01,11.46 29.01,9.22 28.8,9.02 28.24,9.02 28.24,8.48 28.27,8.48 27.69,7.9 27.69,7.75 27.36,7.42 24.89,7.42 24.89,7.85 23.42,7.85 23.42,7.78 23.36,7.8 23.3,7.83 23.2,7.85 23.14,7.77 23.11,7.67 23.05,7.59 23.03,7.48 23.11,7.42 23.42,7.42 23.42,7.42 22.99,7.42 22.99,7.77 22.89,7.77 22.89,7.95 22,7.95 22,7.77 21.92,7.77 21.92,7.93 20.98,7.93 20.98,7.52 21.82,7.52 21.82,7.16 19.69,7.16 19.41,7.44 19.41,10.39 19.71,10.39 19.71,10.8 19.15,10.8 19.14,10.81 17.9,10.81 17.58,10.49 17.58,8.33 17.5,8.26 15.62,8.26 15.29,8.59 14.05,8.59 13.92,8.71 13.92,10.44 15.52,12.04 16.51,12.04 16.87,12.4 16.87,12.8 17.12,12.8 17.12,13.44 16.87,13.44 16.87,15.22 15.39,16.69 13.16,16.69 4.78,25.07 4.78,29.54 ; 9 cut-outs
VDDIO_RADIO on BOTTOM: 28.22,48.01 29.13,48.01 29.39,48.26 29.39,50.55 29.24,50.7 28.37,50.7 28.17,50.9 28.17,51.28 28.12,51.33 27.91,51.33 27.89,51.31 27.89,51.21 27.89,51.21 27.89,50.04 27.79,49.94 27.79,49.45 27.69,49.35 26.62,49.35 26.42,49.15 20.32,49.15 20.22,49.25 20.22,49.66 20.12,49.76 19.2,49.76 19.1,49.66 19.1,48.34 18.69,47.93 18.69,44.35 19.25,43.79 21.18,43.79 21.56,44.17 21.56,46.13 21.82,46.38 22.05,46.38 22.1,46.43 22.1,46.81 22.78,47.5 27.71,47.5
